# Altium PCB Board_Design.PcbDoc (part 2 of 3) (continued)
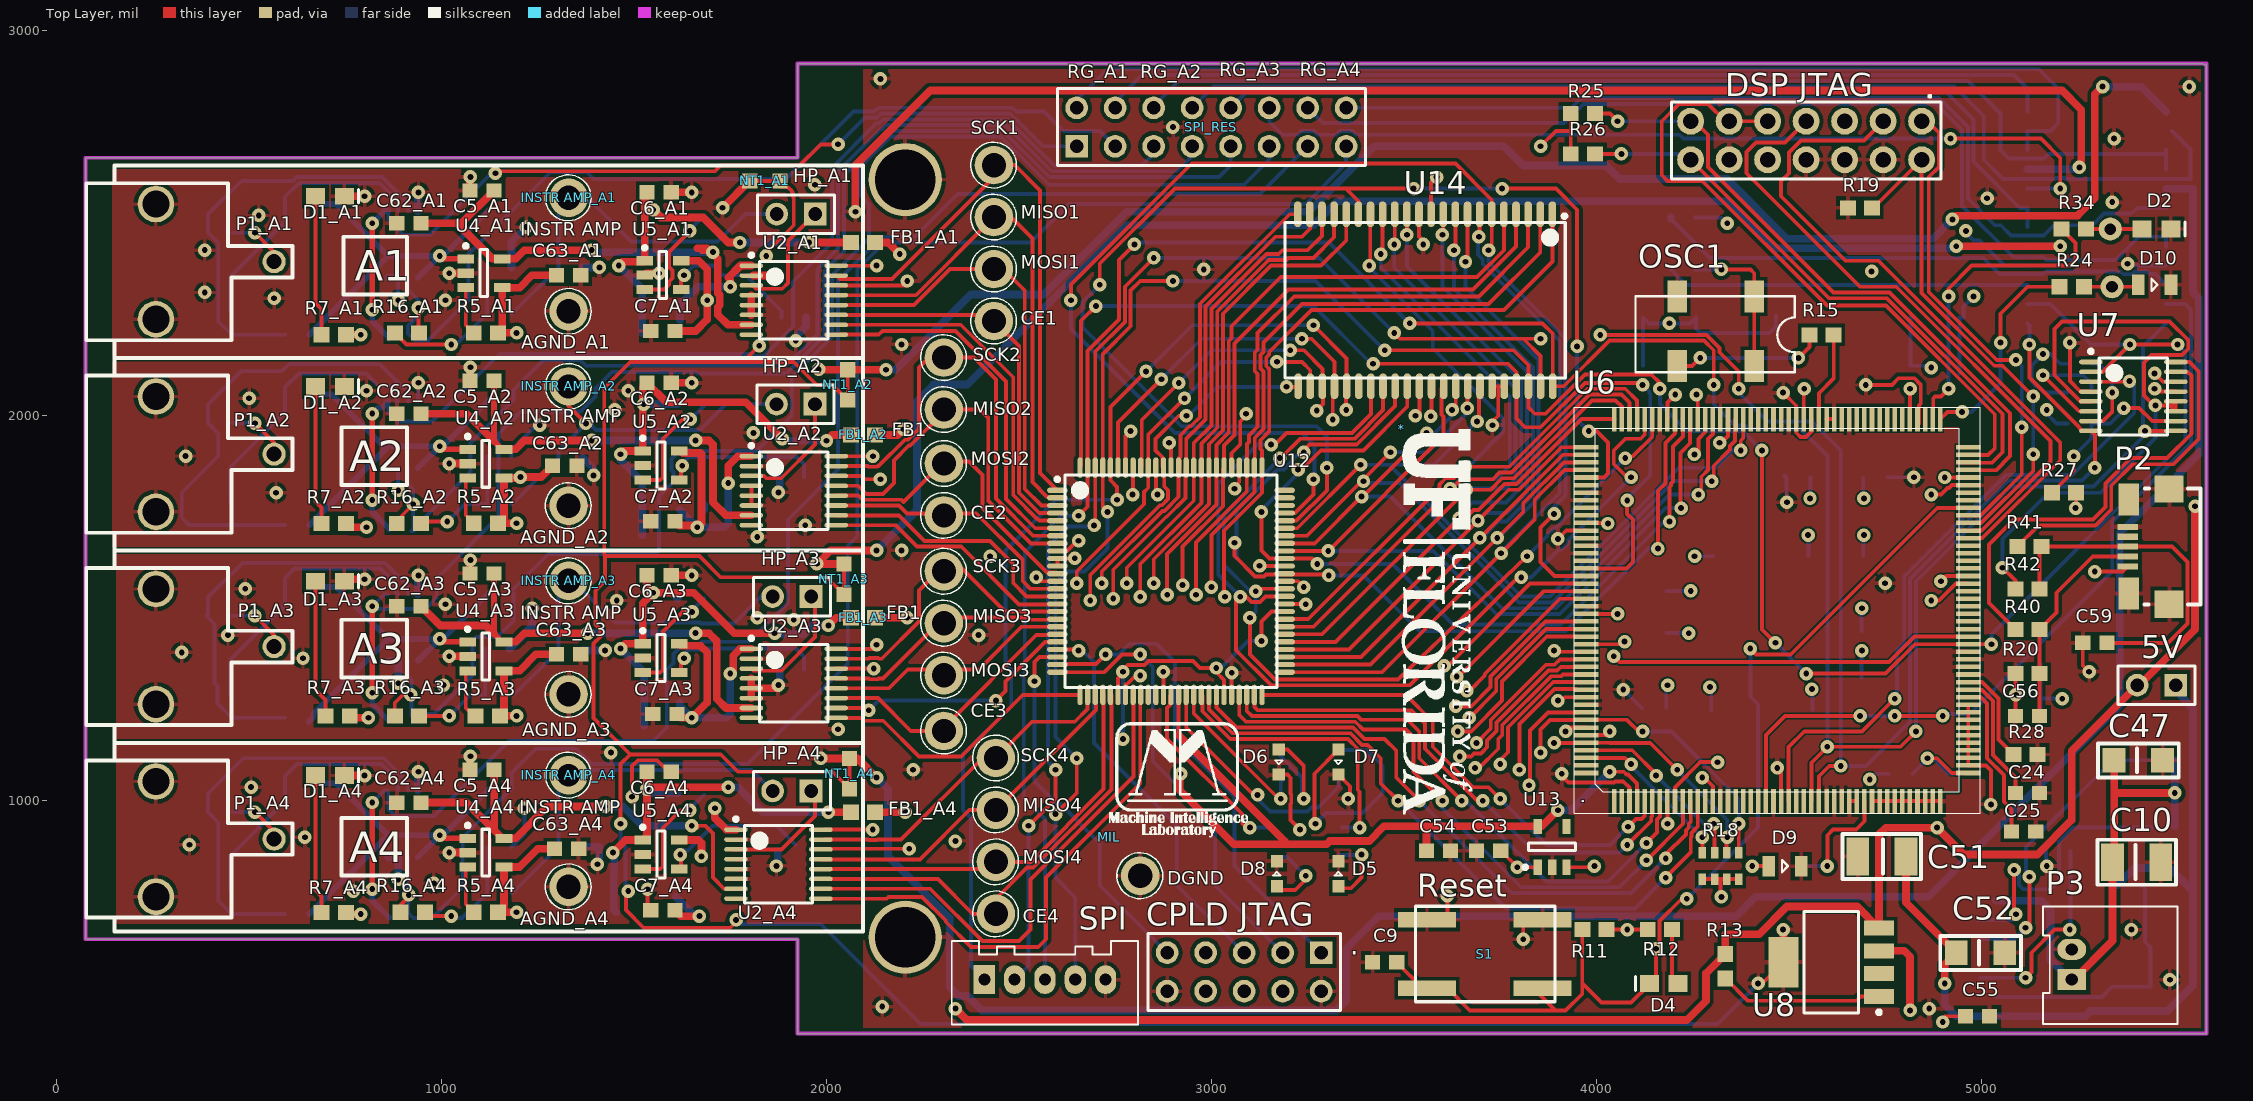
[diagram p0: Top Layer view]
## Nets (pads, with @x,y where several pads share a name; then routed paths per layer and width w, separated by ;. In a path a pad name is that pad's centre, name@x,y a point inside that pad or via, vN(x,y) a via of type N, cw(c..) or ccw(c..) an arc to the next point about the centre after c; other vN are vias at no path point) (continued)
  Top Layer w20: U8.5@4485.98,580.21 v1@4485.98,665.21
  Ground w10: v1(1825,2181.76) 1825,2396.43 v1(1843.57,2415)
  Bottom Layer w10: v1(1465,940) 1465,892.5 1478.19,879.31 1478.19,763.19 1480,765 v1(1485,765) ; v1@1766.3,686.51 1772.81,680 1985,680 2244.79,420.21 4315,420.21 v1(4420,525.21) ; v1@1843.57,2413.57 v1(1843.57,2415) ; C20.2@4181.5,1240.21 v1@4181.5,1296.5 ; C19.2@4181.5,1435.21 v1@4239.79,1435.21 ; C17.2@4181.5,1545 v1(4245,1545) ; v1(4255,1635) C18.2@4303.5,1635 ; C21.2@4298.5,1235.21 v1@4298.5,1291.5 ; C16.2@4551.5,1635 v1@4551.5,1693.5 ; v1@4556.5,1786.5 C12.2@4556.5,1839.79 ; C22.2@4561.5,1235.21 v1@4561.5,1288.5 ; C15.2@4688.5,1320 v1@4688.5,1388.5 ; C14.2@4688.5,1440.21 v1@4688.5,1498.5 ; C13.2@4693.5,1635.21 v1@4693.5,1688.5 ; v1@4693.5,1786.5 C11.2@4693.5,1840.21 ; v1(4710,1055) 4725,1070 C40.2@4758.5,1070 ; v1@5168.5,831.5 C48.1@5168.5,870 ; v1(5170,2015) 5170,2005 5195,1980 R43.1@5223.5,1980 ; v1@5385,2390 U3.9@5480.12,2390
  other v1: 4865,460 2145,465 5490,535 4485,665.21 5390,665 1765,690 5170,830 2335,895 3355,1005 4275,1060 3910,1070 2225,1080 5090,1275 4560,1290 4295,1295 4185,1300 2875,1335 4690,1390 2395,1430 4240,1435 4055,1485 4690,1500 3245,1510 3125,1610 2645,1630 2195,1650 4550,1690 4695,1690 4555,1785 4695,1785 2795,1795 2860,1795 2195,2185 2210,2350 4715,2375 2980,2380 5380,2395 5340,2555 5015,2565 5345,2720 2900,2750 5540,2855 2140,2875
DM: R40.1 U7.15 | length 1125.3
  Top Layer w10: R40.1@5088.5,1445 5020,1513.5 5020,1665 5085,1730 5290,1730 5322.5,1762.5 5322.5,1824.26 5388.24,1890 5482.65,1890 5545.75,1953.1 5545.75,2104.25 5536.02,2113.98 U7.15@5505.24,2113.98
DP: R41.1 U7.16 | length 868.6
  Top Layer w10: R41.1@5093.5,1660 5148.5,1715 5296.21,1715 5337.5,1756.29 5337.5,1818.04 5393.21,1873.75 5498.75,1873.75 5565,1940 5565,2115 5540.43,2139.57 U7.16@5505.24,2139.57
DSP_CLK: OSC1.3 R15.1 | length 400.5
  Top Layer w10: OSC1.3@4210,2128.9 4248.9,2128.9 v1(4270,2150) ; v1(4525,2150) 4553.5,2178.5 R15.1@4553.5,2210
  Bottom Layer w10: v1(4270,2150) v1(4525,2150) v1@4530,2150
DSP_CTRL1: U6.5 U12.50 | length 1263.5
  Top Layer w10: U12.50@3131.22,1274.72 3505.28,1274.72 3575,1205 3575,1140 3680,1035 3720,1035 v1(3750,1005) ; v1(4082.5,932.5) 4102.5,952.5 4117.5,952.5 4125.5,960.5 U6.5@4125.5,998.9
  Bottom Layer w10: v1(3750,1005) 3870,885 4035,885 v1(4082.5,932.5)
DSP_CTRL2: U6.6 U12.49 | length 1343.8
  Top Layer w10: U12.49@3111.54,1274.72 3111.54,1243.46 3120,1235 3520,1235 3555,1200 3555,1135 3690,1000 v1(3705,1000) ; v1(4080,885) 4142.5,947.5 4142.5,957.6 4145.2,960.3 U6.6@4145.2,998.9
  Bottom Layer w10: v1(3705,1000) 3840,865 4060,865 v1(4080,885)
DSP_CTRL3: U6.7 U12.48 | length 1469.3
  Top Layer w10: U12.48@3091.85,1274.72 3091.85,1233.15 3105,1220 3379.85,1220 3389.85,1210 3510,1210 3540,1180 3540,1110 v1(3650,1000) ; v1(4130,890) 4157.5,917.5 4157.5,951.39 4164.9,958.79 U6.7@4164.9,998.9
  Bottom Layer w10: v1(3650,1000) 3660.39,1000 3822.15,838.24 3822.15,837.85 3870,790 4030,790 v1(4130,890)
DSP_CTRL4: U6.10 U12.47 | length 1589.8
  Top Layer w10: U12.47@3072.17,1274.72 3072.17,1222.17 3089.33,1205 3373.64,1205 3393.64,1185 3505,1185 3525,1165 3525,1075 v1(3600,1000) v1@3605,995 ; v1(4130,845) 4225,940 4225,997.8 U6.10@4223.9,998.9
  Bottom Layer w10: v1(3600,1000) 3600,980 3805,775 4060,775 v1(4130,845)
DSP_CTRL5: U6.11 U12.44 | length 1661.1
  Top Layer w10: U12.44@3013.11,1274.72 3013.11,1241.89 3065,1190 3367.43,1190 3397.43,1160 3450,1160 3480,1130 3480,1060 v1(3540,1000) v1@3545,995 ; v1(4180,850) 4180,860 4232.5,912.5 4232.5,922.6 4240,930.1 4240,940 4245,945 4245,997.5 U6.11@4243.6,998.9
  Bottom Layer w10: v1(3540,1000) 3780,760 4090,760 v1(4180,850)
DSP_CTRL6: U6.12 U12.43 | length 1743.3
  Top Layer w10: U12.43@2993.43,1274.72 2993.43,1236.57 3055,1175 3361.21,1175 3391.21,1145 3405,1145 3440,1110 3440,1045 v1(3485,1000) ; v1(4180,800) 4245,865 4245,903.79 4247.5,906.29 4247.5,916.39 4255,923.89 4255,925 4263.3,933.3 U6.12@4263.3,998.9
  Bottom Layer w10: v1(3485,1000) 3765,720 4100,720 v1(4180,800)
DSP_UART_RXD: U6.67
DSP_UART_TXD: U6.66
E\M\_\C\S\: U6.150 U12.72 U14.6 | length 3518.8
  Top Layer w10: v1(2635,2300) 2635,2341.21 2948.79,2655 3633.94,2655 3728.23,2560.71 U14.6@3728.23,2523.5 v1@3728.23,2430 ; U12.72@3190.28,1747.17 3217.17,1747.17 3265,1795 v1(3265,1835) ; v1(3890,1745) 3855,1710 3855,1620 3891.4,1583.6 U6.150@3948.9,1583.6
  Bottom Layer w10: v1(2635,2300) 2635,2225 2905,1955 3235,1955 3267.5,1922.5 3267.5,1837.5 v1(3265,1835) ; v1(3720,2430) 3720,2400 3920,2200 3920,1792.68 3890,1762.68 v1(3890,1745)
E\M\_\O\E\: U6.149 U12.100 U14.41 | length 2734.6
  Top Layer w10: U12.100@2658.78,1865.28 2661.57,1868.07 2661.57,2246.57 v1(2700,2285) ; v1(3420,2135) 3770,2135 3792.22,2112.78 U14.41@3792.22,2076.5 3792.22,1992.78 3815,1970 3855,1970 3970,2085 4115,2085 v1(4120,2080) ; U6.149@3973.9,1603.3 4078.3,1603.3 4095,1620 4095,1730 4080,1745 v1(4080,1780)
  Bottom Layer w10: v1(2700,2285) 3265,2285 3415,2135 v1(3420,2135) ; v1(4080,1780) 4080,1785 4140,1845 4140,2056.11 4137.5,2058.61 4137.5,2062.5 v1(4120,2080)
E\M\_\W\E\: U6.137 U12.71 U14.17 | length 3456.8
  Top Layer w10: v1(2710,2340) 2710,2395 2905,2590 3348.94,2590 ; U12.71@3190.28,1727.48 3221.27,1727.48 3300,1806.21 v1(3300,1865) ; U14.17@3381.77,2523.5 3381.77,2557.17 3348.94,2590 ; v1(3525,2590) 3348.94,2590 ; v1(3755,2590) 3895,2590 3950,2535 v1(3950,2180) ; U6.137@3948.9,1839.5 U6.137@3973.9,1839.5 4019.5,1839.5 4030,1850 4030,1930 4000,1960 v1(3980,1960)
  Bottom Layer w10: v1(2710,2340) 2665,2295 2665,2230 2922.5,1972.5 3272.5,1972.5 3300,1945 v1(3300,1865) ; v1(3525,2590) v1(3755,2590) ; v1(3950,2180) 3950,1990 v1(3980,1960)
EMU0_DSP: "DSP JTAG.13" R25.2 U6.85 | length 1706.6
  Top Layer w10: R25.2@3996.5,2785 4035,2785 v1(4055,2765) ; 4245,2765 4255,2765 4290,2730 4290,2646.36 4616.36,2320 4761.32,2320 5075,2006.32 5075,1895 5038.17,1858.17 U6.85@4944.98,1858.17
  Bottom Layer w10: v1(4055,2765) 4245,2765
EMU1_DSP: "DSP JTAG.14" R26.2 U6.86 | length 1559.4
  Top Layer w10: R26.2@3996.5,2680 v1(4065,2680) ; 4245,2665 4605,2305 4755.1,2305 5055,2005.1 5055,1905 5027.86,1877.86 U6.86@4944.98,1877.86
  Bottom Layer w10: v1(4065,2680) 4230,2680 4245,2665
EOC_1: U2_A1.10 U12.5 | length 964.6
  Top Layer w10: U2_A1.10@2025.24,2236.24 2348.76,2236.24 2485,2100 2485,1793.79 2546.62,1732.17 2547.83,1732.17 2552.52,1727.48 U12.5@2599.72,1727.48
EOC_2: U2_A2.10 U12.15 | length 691
  Top Layer w10: U2_A2.10@2025.24,1741.24 2188.76,1741.24 2255,1675 2425,1675 2485,1615 2485,1565 2519.37,1530.63 U12.15@2599.72,1530.63
EOC_3: U2_A3.10 U12.21 | length 665
  Top Layer w10: U2_A3.10@2025.24,1240.73 2104.27,1240.73 v1(2110,1235) ; v1(2440,1260) 2465,1285 2465,1310 2567.52,1412.52 U12.21@2599.72,1412.52
  Bottom Layer w10: v1(2110,1235) 2135,1260 v1(2440,1260)
EOC_4: U2_A4.10 U12.33 | length 1334.4
  Top Layer w10: U2_A4.10@1985.24,771.02 2268.98,771.02 2405,635 2500,635 2530,665 2530,795 2797.5,1062.5 2797.5,1273.8 U12.33@2796.57,1274.72
GPIO6: U6.13
GPIO7: U6.16
GPIO8: U6.17
GPIO9: U6.18
GPIO10: U6.19
GPIO11: U6.20
GPIO14: U6.25
GPIO15: U6.26
GPIO20: U6.64
GPIO21: U6.65
GPIO25: U6.69
GPIO26: U6.72
GPIO27: U6.73
GPIO32: U6.74
GPIO33: U6.75
GPIO48: U6.88
GPIO49: R24.2 U6.89 | length 558.2
  Top Layer w10: U6.89@4893.2,1991.1 4912.1,2010 v1(4950,2010) ; v1(5050,2190) 5050,2265 5120,2335 R24.2@5203.5,2335
  Bottom Layer w10: v1(4950,2010) 4975,2010 5050,2085 v1(5050,2190)
GPIO50: R34.2 U6.90 | length 823.9
  Top Layer w10: U6.90@4875,1991.1 4875,2045 4880,2050 4895,2050 v1(4915,2070) ; v1(4915,2310) 4915,2330 4975,2390 5230,2390 5245,2405 5245,2448.5 R34.2@5208.5,2485 R34.2@5208.5,2481.5
  Bottom Layer w10: v1(4915,2070) v1(4915,2310)
GPIO51: U6.91
GPIO52: U6.94
GPIO53: U6.95
GPIO54: U6.96
GPIO55: U6.97
GPIO56: U6.98
GPIO57: U6.99
GPIO58: U6.100
GPIO59: U6.110
GPIO60: U6.111
GPIO61: U6.112
GPIO62: U6.113
GPIO63: U6.114
NetC2_A1_2: C2_A1.2 R1_A1.2 U1_A1.2 | length 711.1
  Bottom Layer w10: C2_A1.2@451.5,2270.21 451.5,2361.71 593.5,2503.72 R1_A1.2@593.5,2550.21 593.5,2568.72 629.79,2605 839.17,2605 887.2,2556.97 U1_A1.2@887.2,2531.83
NetC2_A2_2: C2_A2.2 R1_A2.2 U1_A2.2 | length 712.2
  Bottom Layer w10: C2_A2.2@451.5,1775.73 451.5,1867.22 593.5,2009.23 R1_A2.2@593.5,2055.73 593.5,2074.23 629.27,2110 803.62,2110 836.24,2077.37 870.25,2077.37 882.47,2065.15 882.47,2037.34 U1_A2.2@887.2,2037.34
NetC2_A3_2: C2_A3.2 R1_A3.2 U1_A3.2 | length 705.6
  Bottom Layer w10: C2_A3.2@451.5,1275.21 451.5,1366.5 593.5,1508.5 R1_A3.2@593.5,1545.21 593.5,1578.72 617.5,1602.71 841.57,1602.71 880.47,1563.81 880.47,1543.05 U1_A3.2@887.2,1536.32
NetC2_A4_2: C2_A4.2 R1_A4.2 U1_A4.2 | length 706.9
  Bottom Layer w10: C2_A4.2@451.5,765.21 451.5,856.71 593.5,998.72 R1_A4.2@593.5,1045.21 593.5,1063.72 624.79,1095 844.17,1095 887.2,1051.97 U1_A4.2@887.2,1026.83
NetC3_A1_1: C3_A1.1 P1_A1.1 | length 154.2
  Top Layer w10: v1(515,2475.21) 565,2425.21 P1_A1.1@565,2400.21
  Bottom Layer w10: C3_A1.1@456.5,2475.21 v1(515,2475.21)
NetC3_A1_2: C3_A1.2 R2_A1.1 U1_A1.3 | length 1085.3
  Bottom Layer w10: R2_A1.1@593.5,2210.21 455,2210.21 420,2245.21 420,2448.72 C3_A1.2@393.5,2475.21 393.5,2523.72 480,2610.21 613.79,2610.21 623.57,2620 845.39,2620 912.8,2552.59 U1_A1.3@912.8,2531.83
NetC3_A2_1: C3_A2.1 P1_A2.1 | length 154.2
  Top Layer w10: v1(515,1980.73) 565,1930.73 P1_A2.1@565,1905.73
  Bottom Layer w10: C3_A2.1@456.5,1980.73 v1(515,1980.73)
NetC3_A2_2: C3_A2.2 R2_A2.1 U1_A2.3 | length 1238.1
  Bottom Layer w10: R2_A2.1@593.5,1715.73 344.27,1715.73 325,1735 325,1800 420,1895 420,1954.23 C3_A2.2@393.5,1980.73 393.5,2029.23 480,2115.73 585.73,2115.73 604.42,2134.42 838.8,2134.42 912.8,2060.42 U1_A2.3@912.8,2036.83
NetC3_A3_1: C3_A3.1 P1_A3.1 | length 159.2
  Top Layer w10: v1(515,1480.21) 565,1430.21 P1_A3.1@565,1400.21
  Bottom Layer w10: C3_A3.1@456.5,1480.21 v1(515,1480.21)
NetC3_A3_2: C3_A3.2 R2_A3.1 U1_A3.3 | length 1084.1
  Bottom Layer w10: R2_A3.1@593.5,1215.21 455,1215.21 418.02,1252.2 418.19,1252.37 418.19,1298.06 410,1306.25 410,1458.72 C3_A3.2@388.5,1480.21 393.5,1485.21 393.5,1528.72 482.5,1617.71 852.67,1617.71 912.8,1557.59 U1_A3.3@912.8,1536.32
NetC3_A4_1: C3_A4.1 P1_A4.1 | length 154.2
  Top Layer w10: v1(515,970.21) 565,920.21 P1_A4.1@565,900.21 P1_A4.1@565,895.21
  Bottom Layer w10: C3_A4.1@456.5,970.21 v1(515,970.21)
NetC3_A4_2: C3_A4.2 R2_A4.1 U1_A4.3 | length 1081.2
  Bottom Layer w10: R2_A4.1@593.5,705.21 455,705.21 420,740.21 420,943.72 C3_A4.2@393.5,970.21 393.5,1018.72 484.79,1110 850.39,1110 912.8,1047.59 U1_A4.3@912.8,1026.83
NetC4_A1_1: C4_A1.1 C23_A1.2 R16_A1.1 | length 405.4
  Top Layer w10: R16_A1.1@878.5,2215 908.5,2185 v1(1025,2185)
  Bottom Layer w10: v1(1025,2185) 1038.29,2185 C4_A1.1@1118.5,2265.21 C23_A1.2@1118.5,2385
NetC4_A1_2: "INSTR AMP_A1.1" C4_A1.2 HP_A1.2 R3_A1.2 | length 981.1
  Bottom Layer w10: C4_A1.2@1181.5,2265.21 1183.5,2265.21 R3_A1.2@1303.5,2385.21 1303.5,2523.5 1330,2550 1330,2566.2 1341.2,2555 1390,2555 1492.5,2452.5 1717.5,2452.5 1788.9,2523.9 HP_A1.2@1870.73,2523.9
NetC4_A2_1: C4_A2.1 C23_A2.2 R16_A2.1 | length 317.3
  Top Layer w10: R16_A2.1@946.5,1720 951.5,1725 v1(1015,1725)
  Bottom Layer w10: v1(1015,1725) 1060.73,1770.73 C4_A2.1@1118.5,1770.73 C23_A2.2@1118.5,1895
NetC4_A2_2: "INSTR AMP_A2.1" C4_A2.2 HP_A2.2 R3_A2.2 | length 921.2
  Top Layer w10: 1330,2076.2 1330,2025 v1(1375,1980)
  Bottom Layer w10: C4_A2.2@1181.5,1770.73 1183.5,1770.73 R3_A2.2@1303.5,1890.73 1303.5,1908.5 1370,1975 1389.62,1975 1401.39,1963.23 1671.39,1963.23 1738.89,2030.73 HP_A2.2@1860,2030.73
NetC4_A3_1: C4_A3.1 C23_A3.2 R16_A3.1 | length 314.8
  Top Layer w10: R16_A3.1@941.5,1220 v1(1020,1220)
  Bottom Layer w10: v1(1020,1220) 1075,1275 C4_A3.1@1113.5,1275 C23_A3.2@1113.5,1395
NetC4_A3_2: "INSTR AMP_A3.1" C4_A3.2 HP_A3.2 R3_A3.2 | length 976.7
  Bottom Layer w10: C4_A3.2@1171.5,1275.21 1188.5,1275.21 R3_A3.2@1303.5,1390.21 1303.5,1544.7 1330,1571.2 1341.3,1571.2 1450,1462.5 1648.4,1462.5 1648.61,1462.71 1671.39,1462.71 1673.89,1460.21 1760,1460.21 1830,1530.21 HP_A3.2@1860,1530.21
NetC4_A4_1: C4_A4.1 C23_A4.2 R16_A4.1 | length 312.9
  Top Layer w10: R16_A4.1@956.5,710 966.5,700 v1(1025,700)
  Bottom Layer w10: v1@1025,695 1053.29,695 C4_A4.1@1118.5,760.21 C23_A4.2@1118.5,880
NetC4_A4_2: "INSTR AMP_A4.1" C4_A4.2 HP_A4.2 R3_A4.2 | length 927.1
  Bottom Layer w10: C4_A4.2@1181.5,760.21 1183.5,760.21 R3_A4.2@1303.5,880.21 1303.5,1039.7 1330,1066.2 1343.8,1080 1805.21,1080 HP_A4.2@1860,1025.21
NetC8_A1_2: C8_A1.2 U5_A1.4 | length 368.8
  Top Layer w10: U5_A1.4@1622.24,2327.81 1622.24,2362.46 1624.79,2365 v1(1630,2365)
  Bottom Layer w10: v1@1630,2375.21 1640.21,2375.21 1655.21,2390.21 1705,2390.21 1730.21,2365 1790.21,2365 1883.5,2271.71 C8_A1.2@1883.5,2255.21
NetC8_A2_2: C8_A2.2 U5_A2.4 | length 396.3
  Top Layer w10: U5_A2.4@1622.24,1833.32 1622.24,1867.97 1624.27,1870 v1(1625,1870)
  Bottom Layer w10: v1@1630,1880.73 1642.5,1893.23 1922.5,1893.23 1941.5,1874.23 C8_A2.2@1941.5,1840.73
NetC8_A3_2: C8_A3.2 U5_A3.4 | length 403.6
  Top Layer w10: U5_A3.4@1622.24,1332.81 1622.24,1367.46 1624.79,1370 v1(1630,1370)
  Bottom Layer w10: v1@1630,1380.21 1642.5,1392.71 1677.6,1392.71 1680.1,1395.21 1920,1395.21 1941.5,1373.72 C8_A3.2@1941.5,1340.21
NetC8_A4_2: C8_A4.2 U5_A4.4 | length 389.8
  Top Layer w10: v1(1620,860) 1622.24,857.76 U5_A4.4@1622.24,822.81
  Bottom Layer w10: v1(1620,860) 1630.21,870.21 1640.21,870.21 1705,935 1870.21,935 C8_A4.2@1920,885.21
NetC24_2: C24.2 U6.56 | length 339.1
  Top Layer w10: U6.56@4966.1,1288.3 5000.49,1288.3 5030,1258.79 5030,1119.01 5088.5,1060.5 C24.2@5088.5,1020
NetC25_2: C25.2 U6.55 | length 414.4
  Top Layer w10: U6.55@4966.1,1268.6 4998.97,1268.6 5015,1252.57 5015,1110 5058.82,1066.18 5058.82,997.16 5078.5,977.47 C25.2@5078.5,920
NetC48_2: C48.2 U9.5 | length 519.1
  Top Layer w10: v1(5115,540) 5130,555 5130,605 5190,665 v1(5230,665)
  Bottom Layer w10: U9.5@4997.6,540 v1(5115,540) ; v1(5230,665) 5231.5,666.5 C48.2@5231.5,870
NetC49_1: C49.1 R22.2 R23.1 U9.6 | length 686.6
  Bottom Layer w10: U9.6@5037.6,490 5313.5,490 R22.2@5340,516.5 5440,516.5 5440,618.5 R23.1@5438.5,620 5425,633.5 5425,771.5 C49.1@5416.5,780
NetC56_2: C56.2 P2.2 R20.1 R40.2 | length 563.1
  Top Layer w10: C56.2@5151.5,1220 R20.1@5151.5,1330 R40.2@5151.5,1445 5195,1488.5 5195,1540 5289.41,1634.41 P2.2@5381,1634.41
NetC59_1: C59.1 P2.3 R41.2 R42.2 | length 896.6
  Top Layer w10: R42.2@5151.5,1550 5151.5,1655 R41.2@5156.5,1660 P2.3@5381,1660 5495,1660 5535.29,1619.71 5535.29,1460.29 5485,1410 C59.1@5326.5,1410
NetD1_A1_2: D1_A1.2 R7_A1.2 | length 366.6
  Top Layer w10: D1_A1.2@672.6,2570.21 672.6,2292.62 688.5,2276.71 R7_A1.2@688.5,2210.21
NetD1_A2_2: D1_A2.2 R7_A2.2 | length 362.1
  Top Layer w10: D1_A2.2@672.6,2075.73 672.6,1777.62 688.5,1761.71 R7_A2.2@688.5,1720.21
NetD1_A3_2: D1_A3.2 R7_A3.2 | length 360.7
  Top Layer w10: D1_A3.2@672.6,1570.21 672.6,1287.62 698.5,1261.71 R7_A3.2@698.5,1220.21
NetD1_A4_2: D1_A4.2 R7_A4.2 | length 362.1
  Top Layer w10: D1_A4.2@672.6,1065.21 672.6,767.1 688.5,751.2 R7_A4.2@688.5,709.7
NetD2_2: D2.2 pad.1 R34.1 | length 146.1
  Top Layer w10: R34.1@5271.5,2485 D2.2@5417.6,2485
NetD4_2: D4.2 R12.2 | length 146.6
  Top Layer w10: R12.2@4196.5,665.21 4196.5,541.12 D4.2@4212.4,525.21
NetD5_A: D5.A R35.2 | length 189.9
  Top Layer w10: D5.A@3330,772.6 3362.6,772.6 3390,800 v1(3390,860)
  Bottom Layer w10: R35.2@3330,858.5 v1@3388.5,858.5
NetD6_A: D6.A R36.2 | length 331.3
  Top Layer w10: D6.A@3175,1132.48 3197.52,1132.48 3240,1090 v1(3240,1005)
  Bottom Layer w10: R36.2@3175,1126.5 3168.5,1126.5 3235,1060 3235,1002.78 3237.22,1005 v1(3240,1005)
NetD7_A: D7.A R37.2 | length 634.7
  Top Layer w10: v1(3270,940) 3270,950 3267.5,947.5 3267.5,1069.98 D7.A@3330,1132.48
  Bottom Layer w10: v1(3270,940) 3297.62,967.62 3392.62,967.62 3445,1020 3445,1090 3403.5,1131.5 R37.2@3330,1131.5
NetD8_A: D8.A R38.1 | length 191.4
  Top Layer w10: D8.A@3170,767.6 3217.6,767.6 3245,795 v1(3245,805)
  Bottom Layer w10: R38.1@3170,853.5 3196.5,853.5 v1(3245,805)
NetD9_A: D9.A R14.2 | length 96.2
  Top Layer w10: v1(4405,830) D9.A@4447.68,830
  Bottom Layer w10: v1(4405,830) R14.2@4458.5,830
NetD10_A: D10.A pad.2 R24.1 | length 146.1
  Top Layer w10: R24.1@5266.5,2335 D10.A@5412.6,2335
NetHP_A1_1: HP_A1.1 U2_A1.3 | length 312.9
  Top Layer w10: U2_A1.3@1804.76,2338.6 1807.46,2338.6 1816.06,2330 1885,2330 1900,2345 1900,2453.9 HP_A1.1@1970,2523.9
NetHP_A2_1: HP_A2.1 U2_A2.3 | length 309.1
  Top Layer w10: U2_A2.3@1804.76,1843.6 1837.51,1843.6 1843.61,1837.5 1882.29,1837.5 1970,1925.21 HP_A2.1@1970,2030.21
NetHP_A3_1: HP_A3.1 U2_A3.3 | length 308.7
  Top Layer w10: U2_A3.3@1804.76,1343.09 1810.35,1337.5 1882.8,1337.5 1970,1424.7 HP_A3.1@1970,1529.7
NetHP_A4_1: HP_A4.1 U2_A4.3 | length 310.9
  Top Layer w10: U2_A4.3@1755,873.09 1883.39,873.09 1970,959.7 HP_A4.1@1970,1019.7
NetP2_1: P2.1 R27.1 | length 317.6
  Top Layer w10: v1@5246.5,1761.5 R27.1@5246.5,1800 ; v1(5295,1595) 5367.18,1595 P2.1@5381,1608.82 P2.1@5379.82,1610
  Power w10: v1(5245,1760) 5245,1645 v1(5295,1595)
NetR5_A1_1: R5_A1.1 U4_A1.3 | length 126.2
  Top Layer w10: U4_A1.3@1062.76,2332.81 1062.76,2235.96 R5_A1.1@1083.5,2215.21
NetR5_A2_1: R5_A2.1 U4_A2.3 | length 126.2
  Top Layer w10: U4_A2.3@1062.76,1838.32 1062.76,1741.47 R5_A2.1@1083.5,1720.73
NetR5_A3_1: R5_A3.1 U4_A3.3 | length 126.2
  Top Layer w10: U4_A3.3@1062.76,1337.81 1062.76,1240.96 R5_A3.1@1083.5,1220.21
NetR5_A4_1: R5_A4.1 U4_A4.3 | length 126.2
  Top Layer w10: U4_A4.3@1062.76,827.81 1062.76,730.96 R5_A4.1@1083.5,710.21
NetR8_A1_1: R8_A1.1 U5_A1.3 | length 293
  Top Layer w10: U5_A1.3@1527.76,2327.81 1577.4,2327.81 1590.59,2341 1590.59,2348.17 1600,2357.58 1600,2377.25 1590.59,2386.66 1590.59,2425.8 v1(1645,2480.21)
  Bottom Layer w10: v1(1645,2480.21) 1645,2483.72 R8_A1.1@1681.5,2520.21
NetR8_A2_1: R8_A2.1 U5_A2.3 | length 301.3
  Top Layer w10: U5_A2.3@1522.76,1833.32 1568.11,1833.32 1575,1840.21 1575,1940.21 1625.51,1990.73 v1(1646.19,1990.73)
  Bottom Layer w10: v1@1643.25,1987.48 R8_A2.1@1681.5,2025.73
NetR8_A3_1: R8_A3.1 U5_A3.3 | length 305.8
  Top Layer w10: U5_A3.3@1522.76,1332.81 1568.11,1332.81 1575,1339.7 1575,1439.7 1625.51,1490.21 v1(1650.68,1490.21)
  Bottom Layer w10: v1@1643.25,1486.97 R8_A3.1@1681.5,1525.21
NetR8_A4_1: R8_A4.1 U5_A4.3 | length 298
  Top Layer w10: U5_A4.3@1522.76,822.81 1568.11,822.81 1575,829.7 1575,929.7 1620.51,975.21 v1(1645,975.21)
  Bottom Layer w10: v1@1643.25,976.97 R8_A4.1@1681.5,1015.21
NetR9_2: R9.2 U3.10 | length 1373
  Bottom Layer w10: R9.2@4193.5,2511.5 4295,2410 5005,2410 5046.81,2368.19 5162.38,2368.19 5169.19,2375 5361.11,2375 5368.61,2367.5 5391.39,2367.5 5398.89,2375 5430.81,2375 5437.62,2368.19 5451.93,2368.19 U3.10@5480.12,2340
  Bottom Layer w20: R9.2@4193.5,2511.5 R9.2@4193.5,2515
NetR10_2: R10.2 R21.1 U9.3 | length 768.7
  Top Layer w10: v1(5115,670) 5125,680 v1(5125,802.07)
  Bottom Layer w10: U9.3@4997.6,640 5085,640 v1(5115,670) ; v1@5116.5,793.5 5116.5,880 R21.1@5341.5,1105 R10.2@5439.49,1105
NetR13_2: R13.2 U8.1 | length 428.1
  Top Layer w10: R13.2@4335,538.5 4393.5,480 4675,480 4686.63,491.63 U8.1@4734.02,491.63
NetR17_2: R17.2 U9.2 | length 741.6
  Top Layer w10: v1(5085,820) 5085,710 v1(5090,705)
  Bottom Layer w10: U9.2@4990,690 U9.2@4997.6,690 5080,690 v1@5090,700 ; v1(5085,820) 5097.5,807.5 5097.5,780.68 5108.18,770 5180,770 5201.81,791.81 5201.81,892.84 5238.97,930 R17.2@5443.5,930
NetR28_1: R28.1 U6.57 | length 257.7
  Top Layer w10: U6.57@4966.1,1308 5002,1308 5045,1265 5045,1158.5 R28.1@5083.5,1120
NetR35_1: R35.1 U12.42 | length 740.9
  Top Layer w10: U12.42@2973.74,1274.72 2976.54,1271.93 2976.54,1232.25 3048.79,1160 3355,1160 3380,1135 3380,1028.18 3385,1023.18 v1(3385,930)
  Bottom Layer w10: R35.1@3338.5,930 v1(3385,930)
NetR36_1: R36.1 U12.41 | length 438.7
  Top Layer w10: U12.41@2954.06,1274.72 2954.06,1225.94 v1@3177.5,1002.5
  Bottom Layer w10: R36.1@3168.5,1070 3185,1053.5 3180,1048.5 v1(3180,1005)
NetR37_1: R37.1 U12.40 | length 635.6
  Top Layer w10: U12.40@2934.37,1274.72 2934.37,1190.63 3110,1015 v1(3120,1015)
  Bottom Layer w10: v1(3120,1015) 3120,1005 3152.82,972.17 3249.56,972.17 3260,982.62 3277.62,982.62 3330,1035 R37.1@3330,1068.5
NetR38_2: R38.2 U12.38 | length 519.4
  Top Layer w10: U12.38@2895,1274.72 2892.2,1271.93 2892.2,1248.04 2885,1240.84 2885,1160 3080,965 3080,940 3090,930 v1(3100,930)
  Bottom Layer w10: v1(3100,930) 3156.5,930 R38.2@3170,916.5
NetR44_2: R44.2 U7.7 | length 223.2
  Top Layer w10: U7.7@5284.76,1986.02 5316.02,1986.02 5340,2010 v1(5340,2060)
  Bottom Layer w10: R44.2@5286.5,2135 5305,2135 5340,2100 v1(5340,2060)
NetR45_2: R45.2 U7.6 | length 322.3
  Top Layer w10: v1(5160,2105) 5253.39,2011.61 U7.6@5284.76,2011.61
  Bottom Layer w10: v1(5160,2105) 5265,2105 5286.5,2083.5 R45.2@5286.5,2060
R\S\T\_\P\O\T\: R6.1 U3.15 | length 942.9
  Bottom Layer w10: R6.1@4193.5,2380 4233.5,2340 U3.15@5119.88,2340
RGA_1: DNP_A1.1 SPI_RES.1 U1_A1.1 | length 2366
  Top Layer w10: v1(1140,2630) 1145,2635 1710,2635 1725,2650 1930,2650 1985,2705 v1(2030,2705)
  Top Layer w15: v1(820,2275.21) v1(820,2500.21)
  Bottom Layer w10: U1_A1.1@861.61,2531.83 861.61,2508.39 899.79,2470.21 970.21,2470.21 1130,2630 v1(1140,2630) ; v1(2030,2705) 2100,2775 2131.36,2775 2141.36,2785 2477.43,2785 2562.43,2700 SPI_RES.1@2650,2700
  Bottom Layer w15: v1(820,2275.21) 820,2245.21 863.5,2201.71 DNP_A1.1@863.5,2200.21 ; v1(820,2500.21) 851.61,2531.83 U1_A1.1@861.61,2531.83
RGA_1I: SPI_RES.2 U3.22 U3.23 | length 2852.3
  Bottom Layer w10: SPI_RES.2@2650,2800 2650,2820 2730,2900 5150,2900 5200,2850 5200,2760 5180,2740 U3.23@5119.88,2740 U3.22@5119.88,2690
RGA_2: DNP_A2.1 SPI_RES.5 U1_A2.1 | length 2993.8
  Top Layer w15: v1(820,1780.73) v1(820,2005.73)
  Bottom Layer w10: U1_A2.1@861.61,2036.83 861.61,2008.6 885,1985.21 975.21,1985.21 1150,2160 1807.87,2160 1813.61,2154.26 1836.39,2154.26 1913.19,2231.06 1913.19,2348.19 2015,2450 2015,2645 2130,2760 2137.57,2760 2147.57,2770 2471.21,2770 2591.21,2650 2820,2650 2850,2680 SPI_RES.5@2850,2700
  Bottom Layer w15: v1(820,1780.73) 820,1750.73 863.5,1707.22 DNP_A2.1@863.5,1705.73 ; v1(820,2005.73) 835,2020.73 845,2020.73 U1_A2.1@861.61,2037.34
RGA_2I: SPI_RES.6 U3.3 U3.4 | length 2856.2
  Bottom Layer w10: SPI_RES.6@2850,2800 2850,2805 2915,2870 4965,2870 5050,2785 5050,2690 5071.81,2668.19 5162.38,2668.19 5174.19,2680 U3.3@5480.12,2680 ; U3.4@5480.12,2640 U3.3@5480.12,2680 ; U3.3@5480.12,2690 U3.3@5480.12,2680
RGA_3: DNP_A3.1 SPI_RES.9 U1_A3.1 | length 3615.1
  Top Layer w15: v1(820,1280.21) v1(820,1505.21)
  Bottom Layer w10: U1_A3.1@861.61,1536.32 851.1,1536.32 v1(820,1505.21) 827.44,1497.77 957.77,1497.77 987.5,1527.5 987.5,1577.5 1148.19,1738.19 1148.19,1953.19 1206.04,2011.04 1361.04,2011.04 1400.2,2050.2 1400.2,2070.41 1443.01,2113.23 1661.39,2113.23 1664.62,2110 1896.21,2110 1995,2208.79 1995,2376.43 2045,2426.43 2045,2625 2160,2740 2458.79,2740 2578.79,2620 3020,2620 3050,2650 SPI_RES.9@3050,2700
  Bottom Layer w15: v1(820,1280.21) 820,1250.21 DNP_A3.1@863.5,1206.71